# Allegro board 1156197-TDI_VU3P_QSFP28_CXP_V001_1023A-166-20241121_1644_PCB.brd (continued)
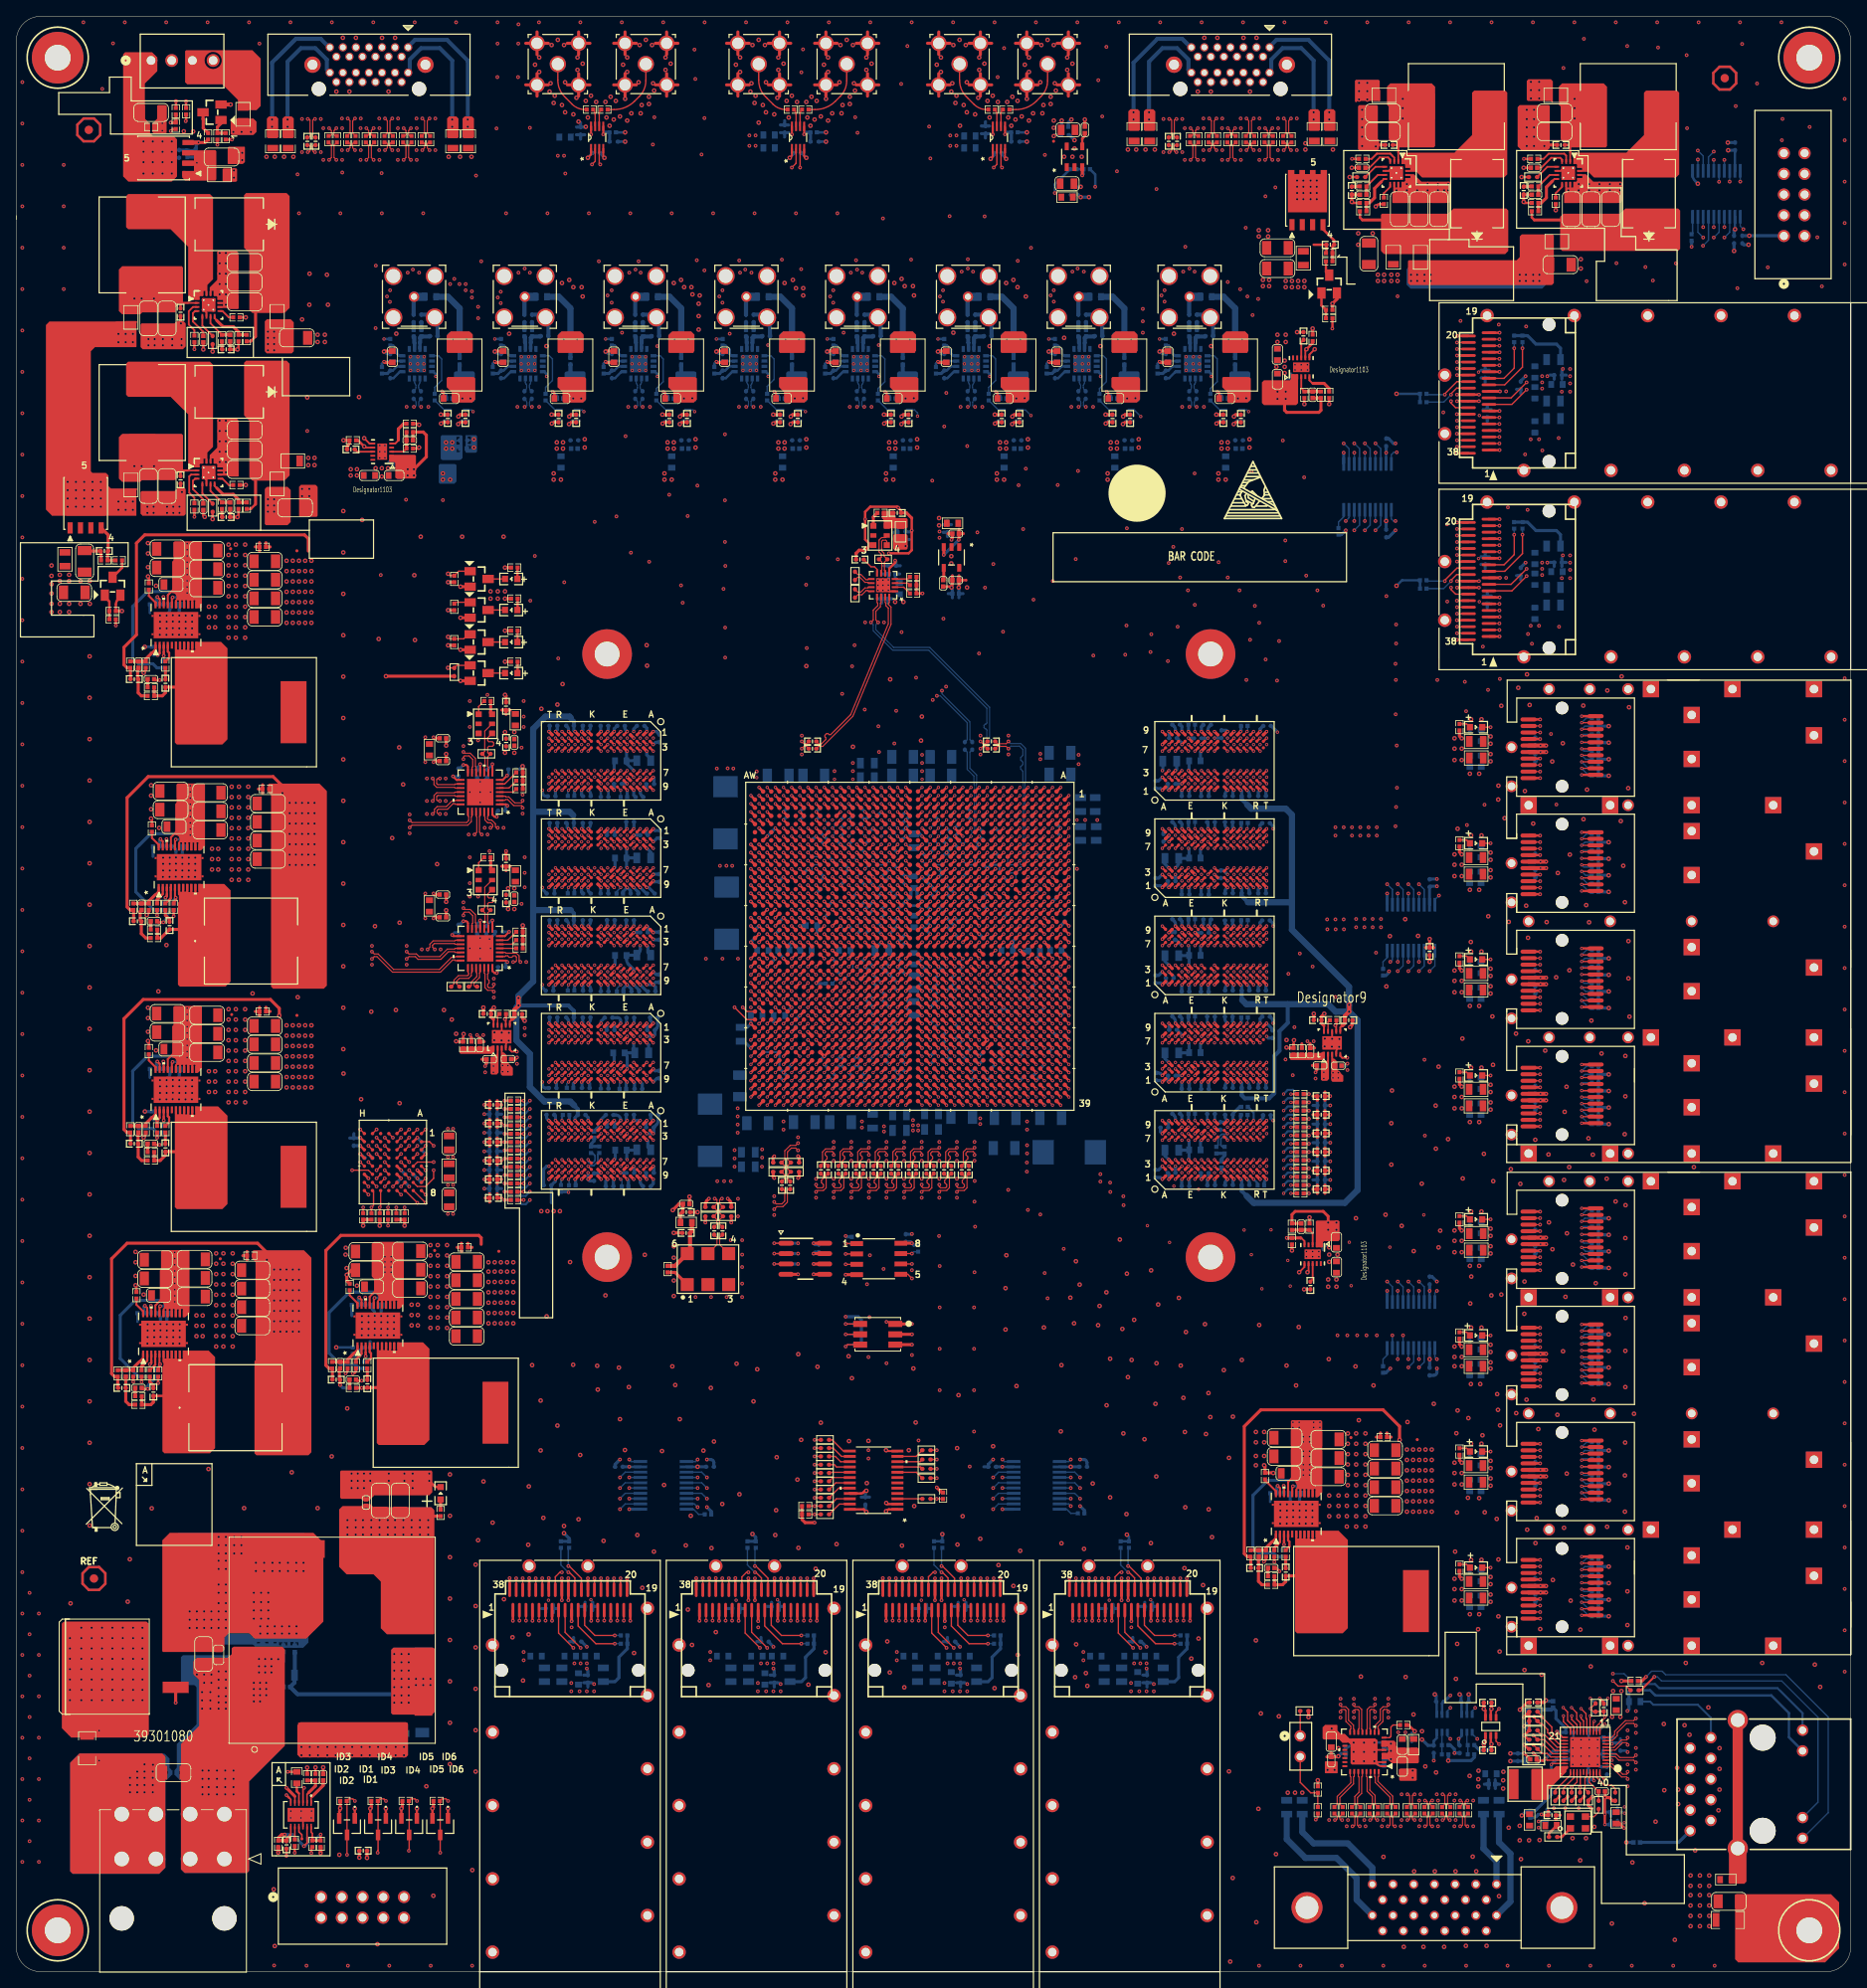
[diagram p0: board, top side]
## Routing (per net, layer and track width the routed paths; a pad name or vN(x,y) marks a point on that pad's centre or on a via; arc(x,y) is an arc through that point) (continued)
  ART07 w0.165: 149.76,96.9 149.76,97.67 v3(149.36,98.06) ; v3(149.36,145.82) 148.96,146.22 148.37,146.22 148.29,146.3
  ART07 w0.191: v1(121.1,135.36) 121.39,135.36 121.59,135.56 121.59,136.7 121.79,136.91 122.36,136.91 122.56,137.1 122.56,145.67 122.86,145.97 125.15,145.97 125.73,146.56 132.04,146.56 132.23,146.75 132.23,150.69 132.42,150.88 132.8,150.88 132.99,150.69 132.99,146.75 133.18,146.56 133.56,146.56 133.75,146.75 133.75,150.69 133.94,150.88 134.33,150.88 134.52,150.69 134.52,146.75 134.71,146.56 135.09,146.56 135.28,146.75 135.28,150.69 135.47,150.88 135.85,150.88 136.04,150.69 136.04,146.88 136.23,146.69 136.61,146.69 136.8,146.88 136.8,150.69 136.99,150.88 139.57,150.88 140.16,150.29 140.16,149.48 140.39,149.25 143.59,149.25 144.65,148.18 145.33,148.18 145.52,148.37 145.52,148.6 145.71,148.79 146.09,148.79 146.28,148.6 146.28,148.37 146.47,148.18 147.6,148.18 147.9,147.88 147.9,146.69 148.29,146.3 ; 149.76,96.9 150.65,96.01 155.85,96.01 v3(156.34,95.53)
CHA_FPGA_DONE_B: length 88.2
  TOP w0.17: v2(52.96,160.04) 52.98,160.02 R10.2 54.04,160.33 Q1.1 ; U1.U9 v1(113.1,137.36)
  ART12 w0.122: v2(52.96,160.04) 54.5,160.04 60.15,165.68 101.85,165.68 111.63,155.91 111.63,138.13 111.91,137.85 112.55,137.85 113.04,137.36 v1(113.1,137.36)
CHA_FPGA_INIT_B: length 2.4
  TOP w0.152: U1.T10 v1(114.1,136.36)
  BOTTOM w0.17: R4.2 113.56,135.86 R2.2 113.59,135.84 v1(114.1,136.36)
CHA_FPGA_MODE0: length 2.1
  TOP w0.152: U1.P9 v1(116.1,137.36)
  BOTTOM w0.17: R16.1 v1(116.1,137.36) U1.P9
CHA_FPGA_MODE1: length 2.1
  TOP w0.152: U1.P8 v1(116.1,138.36)
  BOTTOM w0.17: R14.1 115.6,138.86 v1(116.1,138.36) R13.2
CHA_FPGA_MODE2: length 3.4
  TOP w0.152: U1.P10 v1(116.1,136.36)
  BOTTOM w0.17: R11.2 R12.1 116.6,135.86 v1(116.1,136.36)
CHA_FPGA_POR_OVERRIDE: length 2.1
  TOP w0.152: U1.V8 v1(112.1,138.36)
  BOTTOM w0.17: U1.V8 v1(112.1,138.36) 111.62,138.84 R9.1
CHA_FPGA_PROG_B: length 1.4
  TOP w0.152: U1.V10 v1(112.1,136.36)
  BOTTOM w0.17: v1(112.1,136.36) 112.6,136.86 R3.2
CHA_FPGA_PUDC_B: length 2.1
  TOP w0.152: U1.U8 v1(113.1,138.36)
  BOTTOM w0.17: R6.1 v1(113.1,138.36) 113.58,137.87 R5.2
CHA_FPGA_TCK: length 182
  TOP w0.152: U1.Y10 v1(109.1,136.36)
  TOP w0.17: v1(40.56,14.35) D4.3 40.56,20.92 R17.1 40.79,21.21 41.27,21.21 v1(41.53,20.95)
  ART05 w0.122: v1(40.56,14.35) 40.56,12.34 J1.1
  ART16 w0.122: v1(41.53,20.95) 46.35,16.13 53.34,16.13 55.63,18.41 55.63,53.16 63.75,61.29 63.75,71.25 79.81,87.3 79.81,90.73 83.82,94.74 83.82,97.41 87.98,101.57 87.98,113.16 88.73,113.92 101.35,113.92 101.6,114.17 101.6,117.47 102.01,117.88 102.36,117.88 102.62,118.14 102.62,118.62 102.92,118.92 103.24,118.92 103.56,119.23 103.56,125.03 104.56,126.03 104.56,133.74 104.68,133.86 106.3,133.86 106.55,134.11 106.55,135.64 106.81,135.89 108.63,135.89 v1(109.1,136.36)
CHA_FPGA_TDI: length 177.7
  TOP w0.152: U1.AC9 v1(106.1,137.36)
  TOP w0.17: v1(52.96,20.95) 52.7,21.21 52.22,21.21 R20.1 51.99,20.92 D1.3 v1(51.99,14.61)
  ART05 w0.122: v1(51.99,14.61) 51.99,13.61 J1.9
  ART16 w0.122: v1(106.1,137.36) 105.99,137.36 105.54,136.91 100.97,136.91 100.58,136.53 100.58,121.46 99.59,120.47 99.59,118.08 99.36,117.86 98.81,117.86 98.55,117.6 98.55,117.09 98.3,116.84 90.96,116.84 90.65,116.54 90.65,116.13 90.37,115.85 88.16,115.85 86.36,114.05 86.36,102.31 77.9,93.85 77.9,87.77 62.13,72 62.13,62 53.77,53.64 53.77,28.11 53.65,27.99 52.32,27.99 52.2,27.87 52.2,27.62 52.32,27.5 53.65,27.5 53.77,27.38 53.77,27.13 53.65,27.01 52.32,27.01 52.2,26.89 52.2,26.65 52.32,26.52 53.65,26.52 53.77,26.4 53.77,24.46 53.65,24.34 52.19,24.34 52.07,24.22 52.07,23.97 52.19,23.85 53.65,23.85 53.77,23.73 53.77,23.49 53.65,23.36 52.27,23.36 52.15,23.24 52.15,23 52.27,22.88 53.65,22.88 53.77,22.76 53.77,22.51 53.65,22.39 52.19,22.39 52.07,22.27 52.07,22.02 52.19,21.9 53.65,21.9 53.77,21.78 53.77,21.54 53.65,21.41 53.42,21.41 v1(52.96,20.95)
CHA_FPGA_TDO: length 181.9
  TOP w0.152: U1.Y9 v1(109.1,137.36)
  TOP w0.17: v1(44.32,14.61) 44.35,14.64 44.35,14.88 44.37,14.9 D3.3 44.37,20.92 R18.1 44.6,21.21 45.09,21.21 v1(45.34,20.95)
  ART05 w0.122: v1(44.32,14.61) 44.32,13.56 J1.3
  ART16 w0.122: v1(45.34,20.95) 46.35,19.94 46.35,17.27 46.48,17.14 47.05,17.14 47.17,17.27 47.17,17.91 47.29,18.03 47.54,18.03 47.66,17.91 47.66,16.89 47.78,16.76 53.09,16.76 55.04,18.72 55.04,53.37 63.22,61.54 63.22,71.51 79.17,87.46 79.17,90.86 83.19,94.87 83.19,97.51 87.44,101.77 87.44,113.42 88.51,114.49 89.42,114.49 89.87,114.94 100.33,114.94 100.58,115.19 100.58,117.5 100.97,117.88 101.42,117.88 101.63,118.08 101.63,118.72 101.8,118.9 102.36,118.9 102.62,119.15 102.62,125.01 103.62,126.01 103.62,134.75 103.74,134.87 105.41,134.87 105.66,135.13 105.66,136.53 105.92,136.78 108.52,136.78 v1(109.1,137.36)
CHA_FPGA_TMS: length 179.3
  TOP w0.152: U1.AD10 v1(105.1,136.36)
  TOP w0.17: v1(48.15,14.85) 48.18,14.88 D2.3 48.18,20.92 R19.1 48.41,21.21 48.9,21.21 v1(49.15,20.95)
  ART05 w0.122: v1(48.15,14.85) J1.5
  ART16 w0.122: v1(49.15,20.95) 50.45,19.65 50.45,17.52 50.57,17.4 50.82,17.4 50.94,17.52 50.94,18.93 51.06,19.05 51.31,19.05 51.43,18.93 51.43,17.52 51.55,17.4 52.83,17.4 53.3,17.86 53.3,18.04 52.71,18.63 52.71,18.8 52.88,18.97 53.05,18.97 53.64,18.38 53.81,18.38 54.41,18.97 54.41,53.52 62.69,61.8 62.69,71.77 78.54,87.62 78.54,93.75 80.06,95.28 80.23,95.28 80.81,94.7 80.98,94.7 81.16,94.87 81.16,95.04 80.58,95.62 80.58,95.79 80.75,95.97 80.92,95.97 81.5,95.39 81.67,95.39 81.85,95.56 81.85,95.73 81.27,96.31 81.27,96.48 86.87,102.08 86.87,113.79 88.19,115.11 89.31,115.11 89.62,115.43 90.54,115.43 90.93,115.82 99.19,115.82 99.69,116.33 99.69,117.63 99.95,117.88 100.36,117.88 100.61,118.14 100.61,118.59 100.89,118.87 101.32,118.87 101.6,119.15 101.6,124.81 102.6,125.81 102.6,135.77 102.72,135.89 104.63,135.89 v1(105.1,136.36)
CHA_GPIO_1V8_1: length 172
  TOP w0.152: U1.F27 v1(124.1,118.36)
  ART12 w0.122: v1(167.39,128.19) 168.02,128.83 168.02,130.43 167.39,131.06 167.39,133.48 173.46,139.55 173.46,200.13 178.31,204.98 205.87,204.98 210.06,209.17 210.06,212.09 v1(211.84,213.87)
  ART14 w0.122: v1(167.39,128.19) 167.39,126.75 160.15,119.51 157.99,119.51 156.59,118.11 138.18,118.11 137.41,118.87 124.62,118.87 v1(124.1,118.36)
  BOTTOM w0.17: v1(211.84,213.87) 211.46,214.25 211.46,215.39
CHA_GPIO_1V8_2: length 168.8
  TOP w0.152: U1.E26 v1(125.1,119.36)
  ART12 w0.122: v1(167.39,129.21) 167.39,130.38 166.88,130.89 166.88,133.6 172.95,139.67 172.95,200.34 178.1,205.49 203.96,205.49 209.51,211.03 v1(209.51,212.85)
  ART14 w0.122: v1(125.1,119.36) 125.63,119.89 137.03,119.89 138.43,118.49 156.34,118.49 157.88,120.03 160,120.03 166.88,126.9 166.88,128.7 v1(167.39,129.21)
  BOTTOM w0.17: v1(209.51,212.85) 210.16,213.5 U4.3
CHA_GPIO_1V8_3: length 166.9
  TOP w0.152: U1.D25 v1(126.1,120.36)
  ART12 w0.122: v1(166.37,128.19) 166.88,128.7 166.88,130.18 166.37,130.68 166.37,133.73 172.44,139.8 172.44,200.55 177.89,205.99 203.45,205.99 208.79,211.33 208.79,213.11 209.51,213.82 v1(209.51,214.12)
  ART14 w0.122: v1(126.1,120.36) 126.45,120.36 126.87,120.78 136.91,120.78 138.81,118.87 156.08,118.87 157.76,120.55 159.86,120.55 166.37,127.06 v1(166.37,128.19)
  BOTTOM w0.17: U4.4 v1(209.51,214.12)
CHA_GPIO_1V8_4: length 167.7
  TOP w0.152: U1.E25 v1(125.1,120.36)
  ART12 w0.122: v1(166.37,129.21) 166.37,130.07 165.86,130.58 165.86,133.86 171.93,139.93 171.93,200.76 177.68,206.5 202.69,206.5 208.2,212.01 v1(208.2,212.85)
  ART14 w0.122: v1(166.37,129.21) 165.86,128.7 165.86,127.22 159.66,121.01 157.46,121.01 155.7,119.25 139.19,119.25 136.65,121.79 126.87,121.79 126.62,121.54 126.62,121.16 126.32,120.86 125.94,120.86 125.44,120.36 v1(125.1,120.36)
  BOTTOM w0.17: U4.5 208.86,213.5 v1(208.2,212.85)
CHA_GPIO_1V8_5: length 170.5
  TOP w0.152: U1.G25 v1(123.1,120.36)
  ART12 w0.122: v1(165.35,129.21) 165.35,129.72 164.85,130.23 164.85,134.11 170.92,140.18 170.92,201.54 181.72,212.34 207.14,212.34 207.52,212.72 207.52,213.49 208.15,214.12 v1(208.2,214.12)
  ART14 w0.122: v1(123.1,120.36) 123.15,120.36 123.65,120.86 124.3,120.86 124.6,121.16 124.6,121.55 124.91,121.86 125.31,121.86 125.6,122.15 125.6,122.55 125.91,122.86 126.41,122.86 126.6,123.04 126.6,123.55 126.87,123.83 136.14,123.83 139.95,120.02 154.94,120.02 156.99,122.06 159.37,122.06 164.85,127.54 164.85,128.7 v1(165.35,129.21)
  BOTTOM w0.17: U4.6 v1(208.2,214.12)
CHA_GPIO_1V8_6: length 169
  TOP w0.152: U1.F25 v1(124.1,120.36)
  ART12 w0.122: v1(165.35,128.19) 165.86,128.7 165.86,129.82 165.35,130.33 165.35,133.99 171.42,140.06 171.42,200.97 182.22,211.76 204.37,211.76 205.21,210.92 205.97,210.92 v1(206.88,211.84)
  ART14 w0.122: v1(124.1,120.36) 124.4,120.36 124.9,120.86 125.3,120.86 125.6,121.16 125.6,121.54 125.92,121.86 126.35,121.86 126.6,122.1 126.6,122.54 126.92,122.86 136.35,122.86 139.57,119.63 155.32,119.63 157.23,121.54 159.52,121.54 165.35,127.38 v1(165.35,128.19)
  BOTTOM w0.17: U4.7 207.55,212.51 v1(206.88,211.84)
CHA_GPIO_1V8_8: length 204.3
  TOP w0.17: U64.2 95.64,221.95 v1(95.12,221.44)
  TOP w0.211: U1.F23 v1(124.1,122.36)
  ART12 w0.122: v1(161.82,127.94) 162.31,128.42 162.31,134.87 166.37,138.94 166.37,176.28 166.12,176.53 166.12,191.01 166.37,191.26 166.37,204.77 160.3,210.85 151.1,210.85 146.08,215.87 124.31,215.87 118.75,221.44 97.99,221.44 97.46,221.97 95.66,221.97 v1(95.12,221.44)
  ART14 w0.122: v1(124.1,122.36) 124.1,122.36 123.49,122.36 123.27,122.58 123.27,124.21 124.99,125.93 138.86,125.93 139.65,125.15 153.67,125.15 155.6,127.08 161.34,127.08 161.82,127.56 v1(161.82,127.94)
CHA_GPIO_1V8_9: length 201.7
  TOP w0.152: U1.G24 v1(123.1,121.36)
  TOP w0.17: v1(96.14,221.44) 96.13,221.44 U64.3
  ART12 w0.122: v1(161.8,129.16) 161.8,135.13 165.35,138.68 165.35,176.02 164.72,176.66 164.72,190.63 165.35,191.26 165.35,205.03 160.02,210.36 150.83,210.36 146.03,215.16 124.01,215.16 118.24,220.93 96.65,220.93 v1(96.14,221.44)
  ART14 w0.122: v1(123.1,121.36) 122.93,121.53 122.93,124.53 124.6,126.2 124.6,126.63 124.82,126.86 137.02,126.86 139.46,129.3 154.93,129.3 155.57,128.65 161.29,128.65 v1(161.8,129.16)
CHA_GPIO_1V8_10: length 181.4
  TOP w0.152: U1.F24 v1(124.1,121.36)
  TOP w0.17: U66.2 120.27,221.82 v1(119.89,221.44)
  ART12 w0.122: v1(162.81,129.16) 162.81,134.62 167.39,139.19 167.39,204.52 160.63,211.28 151.43,211.28 146.36,216.35 124.98,216.35 v1(119.89,221.44)
  ART14 w0.122: v1(124.1,121.36) 124.1,121.54 124.6,122.04 124.6,122.62 124.36,122.86 123.8,122.86 123.61,123.05 123.61,123.61 123.86,123.86 124.39,123.86 124.64,124.1 124.64,124.76 125.32,125.45 138.58,125.45 139.32,124.71 154.18,124.71 155.97,126.5 161.4,126.5 162.33,127.43 162.33,128.68 v1(162.81,129.16)
CHA_GPIO_1V8_11: length 178.6
  TOP w0.152: U1.E23 v1(125.1,122.36)
  TOP w0.17: U66.3 120.77,221.57 v1(120.9,221.44)
  ART12 w0.122: v1(120.9,221.44) 125.27,217.07 146.41,217.07 151.69,211.79 161.01,211.79 168.61,204.19 168.61,139.78 163.32,134.49 163.32,128.65 162.84,128.17 v1(162.84,127.94)
  ART14 w0.122: v1(162.84,127.94) 162.84,127.03 161.73,125.92 156.4,125.92 154.81,124.33 139.19,124.33 138.68,124.84 125.86,124.84 125.6,124.59 125.6,123.19 125.1,122.69 v1(125.1,122.36)
CHA_GPIO_1V8_12: length 273.8
  TOP w0.152: U1.E27 v1(125.1,118.36)
  TOP w0.17: v1(70.61,221.82) 71,222.2 U65.2
  ART03 w0.122: v1(125.1,118.36) 125.1,118.37 125.6,118.87 126.36,118.87 126.62,118.62 126.62,118.11 126.87,117.86 129.29,117.86 130.05,117.09 130.05,116.33 131.57,114.81 131.57,114 132.11,113.46 132.11,103.47 141.34,94.23 162.95,94.23 165.35,96.64 165.35,123.44 161.31,127.49 161.31,128.63 v1(160.78,129.16)
  ART12 w0.122: v1(160.78,129.16) 160.78,135.76 163.32,138.3 163.32,173.15 162.05,174.42 162.05,190.41 163.32,191.68 163.32,205.41 159.26,209.47 150.32,209.47 145.9,213.89 123.09,213.89 117.17,219.81 72.62,219.81 v1(70.61,221.82)
CHA_GPIO_1V8_13: length 271
  TOP w0.152: U1.D26 v1(126.1,119.36)
  TOP w0.17: U65.3 71.5,221.95 v1(71.63,221.82)
  ART03 w0.122: v1(126.1,119.36) 126.39,119.36 126.87,118.87 129.29,118.87 130.56,117.6 130.56,116.54 132.08,115.01 132.08,114.07 132.54,113.61 132.54,103.94 141.73,94.74 162.56,94.74 164.85,97.03 164.85,123.32 160.78,127.38 160.78,127.91 v1(160.81,127.94)
  ART12 w0.122: v1(160.81,127.94) 161.29,128.42 161.29,135.38 164.34,138.43 164.34,173.25 163.58,174.02 163.58,190.63 164.34,191.39 164.34,205.28 159.72,209.91 150.65,209.91 145.95,214.6 123.39,214.6 117.58,220.42 73.03,220.42 v1(71.63,221.82)
CHA_GPIO_3V3_1: length 8.4
  ART16 w0.122: v1(211.46,219.71) 215.58,215.58 J2.3
  BOTTOM w0.17: 211.46,221.03 v1(211.46,219.71)
CHA_GPIO_3V3_2: length 9.2
  ART16 w0.122: v1(210.16,219.71) 210.79,220.34 212.47,220.34 214.69,218.12 J2.5
  BOTTOM w0.17: U4.18 v1(210.16,219.71)
CHA_GPIO_3V3_3: length 9.4
  ART16 w0.122: v1(209.51,222.38) 209.89,222 212.85,222 214.19,220.66 J2.7
  BOTTOM w0.17: U4.17 v1(209.51,222.38)
CHA_GPIO_3V3_4: length 14.6
  ART16 w0.122: J2.4 218.08,214.31 214.23,214.31 v1(208.86,219.68)
  BOTTOM w0.17: U4.16 v1(208.86,219.68)
CHA_GPIO_3V3_5: length 14.2
  ART16 w0.122: J2.6 218.14,219.33 214.63,219.33 212.72,221.23 209.35,221.23 v1(208.2,222.38)
  BOTTOM w0.17: U4.15 v1(208.2,222.38)
CHA_GPIO_3V3_6: length 14.9
  ART16 w0.122: J2.8 218.01,222 214.25,222 213.36,222.88 208.71,222.88 v1(208.2,223.39)
  BOTTOM w0.17: v1(208.2,223.39) 207.55,222.74 U4.14
CHA_MGTAVCC: length 121.3
  TOP w0.305: U1.AD33 v3(105.1,112.36) ; U1.AE35 v3(104.1,110.36) ; U1.AH33 v3(101.1,112.36) ; v3(99.1,139.36) 99.1,139.36 U1.AK6 ; U1.Y5 v3(109.1,141.36) ; U1.AH7 v3(101.1,139.36) ; U1.T7 v3(114.1,139.36) ; R395.2 v1(19.3,129.54) ; U1.K34 v3(120.1,111.36) ; U1.AE5 v3(104.1,141.36) ; U1.T33 v3(114.1,112.36) ; U1.Y33 v3(109.1,112.36) ; U1.M33 v3(118.1,112.36) ; U1.K6 v3(120.1,140.36) ; U1.M7 v3(118.1,139.36) ; U1.AD7 v3(105.1,139.36) ; U1.Y7 v3(109.1,139.36) ; U1.Y35 v3(109.1,110.36) ; U1.AK34 v3(99.1,111.36)
  TOP w0.381: C715.2 14.39,130.27 R385.2 13.97,130.31 13.59,130.69 13.59,144.09 16.18,146.69 31.5,146.69 32.64,145.54 v2(32.64,144.65)
  ART07 w0.305: v2(33.53,143.46) 33.53,145.15 33.01,145.66 31.63,145.66 30.53,146.76 20.4,146.76 18.03,144.4 18.03,141.86 16.64,140.46 16.64,131.7 18.8,129.54 v1(19.3,129.54) ; v3(105.1,139.36) 104.61,138.87 101.59,138.87 v3(101.1,139.36) 101.1,139.36 101.6,139.85 101.6,140.64 101.84,140.88 102.3,140.88 102.31,140.89 103.64,140.89 v3(104.1,141.36)
  ART16 w0.305: 100.6,138.86 99.6,138.86 v3(99.1,139.36) 99.63,139.88 100.58,139.88 v3(101.1,139.36) 100.6,138.86
  BOTTOM w0.381: C192.1 117.63,112.83 v3(118.1,112.36) 118.58,112.83 C199.1 ; v3(114.1,139.36) 114.57,138.89 C215.2 ; C217.2 105.58,112.83 v3(105.1,112.36) 104.63,111.88 C198.1 ; v3(109.1,139.36) 108.63,138.88 C204.1 ; C208.1 105.58,138.88 v3(105.1,139.36) ; v3(109.1,112.36) 108.63,112.83 C194.1 ; C212.2 109.57,141.82 v3(109.1,141.36) 108.63,140.88 C200.1 ; v3(118.1,139.36) 118.58,138.88 C201.1 ; C206.1 108.63,110.83 v3(109.1,110.36) ; C191.1 119.6,110.86 v3(120.1,111.36) U1.K34 C205.1 ; C203.1 114.55,111.9 v3(114.1,112.36) 113.61,112.84 C216.2 ; C189.1 99.6,138.86 v3(99.1,139.36) 98.63,139.83 C196.1 ; C211.2 103.6,141.86 v3(104.1,141.36) 104.6,141.86 C209.2 ; C197.1 99.6,110.86 v3(99.1,111.36) 99.57,111.82 C207.1 ; C190.1 v3(104.1,110.36) 104.58,110.83 C193.1 ; C218.2 U1.K6 v3(120.1,140.36) 120.6,139.86 C213.2 ; C214.2 U1.AH7 v3(101.1,139.36) 101.6,139.86 C210.2 ; C195.1 101.6,111.86 v3(101.1,112.36) 100.6,111.86 C202.1
  vias: v1(103.72,104.36) v1(103.72,103.61) v1(118.23,104.74) v1(118.23,104.04) v1(125.6,149.48) v1(125.6,148.82) v2(33.53,142.19) v2(33.53,140.92) v2(33.53,139.65) v2(33.53,138.38) v2(33.53,137.11) v2(33.53,135.84) v2(34.29,143.46) v2(34.29,142.19) v2(34.29,140.92) v2(34.29,139.65) v2(34.29,138.38) v2(34.29,137.11) v2(34.29,135.84) v2(35.05,143.46) v2(35.05,142.19) v2(35.05,140.92) v2(35.05,139.65) v2(35.05,138.38) v2(35.05,137.11) v2(35.05,135.84) v2(35.81,143.46) v2(35.81,142.19) v2(35.81,140.92) v2(35.81,139.65) v2(35.81,138.38) v2(35.81,137.11) v2(35.81,135.84) v2(36.58,143.46) v2(36.58,142.19) v2(36.58,140.92) v2(36.58,139.65) v2(36.58,138.38) v2(36.58,137.11) v2(36.58,135.84)
CHA_MGTAVCC_EN: length 2.3
  TOP w0.279: U47.2 17.97,132.27 17.53,131.83
  TOP w0.381: 17.53,131.83 17.27,131.57 R382.1
CHA_MGTAVCC_GOOD: length 36.5
  TOP w0.279: 18.46,132.24 U47.3
  TOP w0.305: 18.46,132.24 18.46,132 v1(18.29,131.83)
  ART03 w0.381: v2(15.77,162.61) 13.84,160.68 13.84,136.78 18.29,132.33 v1(18.29,131.83)
  BOTTOM w0.305: v1(18.29,131.83) 18.29,131.49 R394.2 ; R407.2 v2(15.77,162.61)
CHA_MGTAVTT: length 97.2
  TOP w0.305: U1.AA36 v3(108.1,109.36) ; U1.AA4 v3(108.1,142.36) ; U1.R35 v3(115.1,110.36) ; U1.W36 v3(111.1,109.36) ; U1.E5 v3(125.1,141.36) ; U1.E35 v3(125.1,110.36) ; U1.J5 v3(121.1,141.36) ; U1.AL35 v3(98.1,110.36) ; U1.U5 v3(113.1,141.36) ; v3(92.1,139.36) 92.1,139.36 U1.AV7 ; U1.G5 v3(123.1,141.36) ; U1.AT34 v3(93.1,111.36) ; U1.U35 v3(113.1,110.36) ; U1.B7 v3(128.1,139.36) ; U1.AC5 v3(106.1,141.36) ; U1.AT6 v3(93.1,140.36) ; U1.N35 v3(117.1,110.36) ; U1.G35 v3(123.1,110.36) ; U1.AJ35 v3(100.1,110.36) ; U1.AL5 v3(98.1,141.36) ; U1.L5 v3(119.1,141.36) ; U1.R5 v3(115.1,141.36) ; U1.N5 v3(117.1,141.36) ; U1.J35 v3(121.1,110.36) ; U1.AC35 v3(106.1,110.36) ; U1.AR5 v3(94.1,141.36) ; U1.AN35 v3(96.1,110.36) ; U1.D34 v3(126.1,111.36) ; U1.W4 v3(111.1,142.36) ; U1.AJ5 v3(101.1,141.36) ; U1.AR35 v3(94.1,110.36) ; U1.AG5 v3(102.1,141.36) ; U1.AN5 v3(96.1,141.36) ; U1.D6 v3(126.1,140.36) ; U1.AG35 v3(102.1,110.36) ; U1.B33 v3(128.1,112.36) ; U1.L35 v3(119.1,110.36)
  TOP w0.381: U1.AV33 v3(91.1,112.36) ; 31.14,174.88 R404.2 30.63,175.39 ; 35.81,174.37 35.81,175.9 35.36,176.35 15.75,176.35 14.73,175.34 14.73,164.08 13.21,162.56 13.21,160.41 13.59,160.03 R397.1 14.01,159.99 C730.2
  ART03 w0.305: v1(90.82,147.32) v3(90.82,146.56)
  BOTTOM w0.254: C149.1 93.6,110.83 93.6,112.6 93.33,112.87 91.61,112.87 U1.AV33
  BOTTOM w0.381: v3(113.1,110.36) 112.63,110.83 C159.1 ; C176.2 118.64,140.89 v3(119.1,141.36) ; C154.1 100.6,109.86 v3(100.1,110.36) ; C168.1 102.6,141.86 v3(102.1,141.36) ; C162.1 112.6,141.86 v3(113.1,141.36) ; v3(96.1,141.36) 96.6,141.86 C158.1 ; v3(121.1,110.36) 120.63,110.83 C170.2 ; C149.1 93.63,110.83 v3(94.1,110.36) 94.57,109.89 C174.2 ; v3(128.1,139.36) 127.6,139.86 C164.1 ; v3(121.1,141.36) 120.63,140.88 C163.1 ; C152.1 107.6,109.86 v3(108.1,109.36) ; v3(125.1,110.36) 124.6,109.86 C150.1 ; U1.B33 v3(128.1,112.36) ; v3(115.1,141.36) 114.63,140.88 C156.1 ; C166.1 101.6,141.86 v3(101.1,141.36) ; v3(98.1,141.36) 98.6,141.86 C167.1 ; C172.2 124.64,140.89 v3(125.1,141.36) ; C157.1 122.63,140.88 v3(123.1,141.36) ; v3(126.1,140.36) U1.D6 C169.2 ; v3(102.1,110.36) 102.6,109.86 C153.1 ; v3(106.1,110.36) 106.58,110.83 C177.2 ; C173.2 125.6,110.86 v3(126.1,111.36) ; U1.AV33 v3(91.1,112.36) ; C178.2 118.63,110.83 v3(119.1,110.36) ; C171.2 114.63,110.83 v3(115.1,110.36) ; v3(93.1,140.36) R83.1 v3(92.1,139.36) ; C155.1 96.58,110.83 v3(96.1,110.36) ; v3(98.1,110.36) 98.58,110.83 C161.1 ; v3(117.1,110.36) 117.58,110.83 C151.1 ; v3(117.1,141.36) 116.6,141.86 C175.2 ; v3(94.1,141.36) 94.6,141.86 C165.1
  vias: v1(94.1,104.36) v1(94.1,103.36) v1(100.36,147.36) v1(123.97,104.36) v1(123.97,103.36) v2(33.15,173.18) v2(33.15,171.91) v2(33.15,170.64) v2(33.15,169.37) v2(33.15,168.1) v2(33.15,166.83) v2(33.15,165.56) v2(33.91,173.18) v2(33.91,171.91) v2(33.91,170.64) v2(33.91,169.37) v2(33.91,168.1) v2(33.91,166.83) v2(33.91,165.56) v2(34.67,173.18) v2(34.67,171.91) v2(34.67,170.64) v2(34.67,169.37) v2(34.67,168.1) v2(34.67,166.83) v2(34.67,165.56) v2(35.43,173.18) v2(35.43,171.91) v2(35.43,170.64) v2(35.43,169.37) v2(35.43,168.1) v2(35.43,166.83) v2(35.43,165.56) v2(36.2,173.18) v2(36.2,171.91) v2(36.2,170.64) v2(36.2,169.37) v2(36.2,168.1) v2(36.2,166.83) v2(36.2,165.56) v3(100.36,146.36)
CHA_MGTAVTT_EN: length 2.1
  TOP w0.279: U48.2 17.58,161.83 v1(17.35,161.59)
  BOTTOM w0.381: v1(17.35,161.59) 16.85,161.59 R407.1
CHA_MGTAVTT_GOOD: length 216.2
  TOP w0.279: U48.3 18.08,161.96
  TOP w0.305: 18.08,161.96 v1(18.08,161.53) ; R408.2 v2(52.96,167.11)
  ART07 w0.305: v1(18.08,161.53) 18.64,160.97 18.64,148.51 19.33,147.83 37.21,147.83 50.95,161.57 50.95,165.11 v2(52.96,167.11)
  ART16 w0.381: v1(132.33,219.07) 133.1,218.31 133.1,216.53 130.56,214 121.92,214 120.52,212.6 43.43,212.6 40.88,210.05 40.88,196.91 37.97,194.01 37.97,183.51 42.04,179.45 50.55,179.45 50.93,179.07 50.93,169.14 v2(52.96,167.11)
  BOTTOM w0.305: R425.2 132.33,220.59 v1(132.33,219.07)
  BOTTOM w0.381: v1(18.08,161.53) 18.08,161 R405.2
CHA_MGTH224_RXN0: length 71.2
  TOP w0.14: U1.AV3 v3(91.1,143.36)
  ART16 w0.102: v3(91.1,143.36) 91.1,143.06 arc(91.07,142.99) 91,142.96 90.81,142.96 arc(90.73,142.99) 90.7,143.06 90.7,144.52 arc(90.66,144.74) 90.53,144.92 90.18,145.28 90.18,145.35 90.16,145.37
  ART16 w0.114: 90.16,145.37 90.08,145.45 arc(89.9,145.72) 89.84,146.03 89.84,146.32 arc(89.87,146.39) 89.94,146.42 arc(90.01,146.45) 90.04,146.52 90.04,146.78 arc(90.01,146.85) 89.94,146.88 arc(89.87,146.91) 89.84,146.98 89.84,149.99 arc(89.24,152.99) 87.54,155.54 70.13,172.95 65.92,177.15 arc(63.24,178.95) 60.07,179.58 arc(58.66,179.86) 57.47,180.66 52.33,185.8 arc(52.26,185.89) 52.24,186.01 52.24,186.03 arc(52.22,186.15) 52.15,186.25 52.09,186.31 arc(51.99,186.38) 51.87,186.4 51.85,186.4 arc(51.73,186.42) 51.64,186.49 51.48,186.64 arc(50.92,187.48) 50.73,188.47 50.73,189.48 arc(50.6,190.14) 50.23,190.69 49.43,191.49 arc(49.38,191.56) 49.36,191.65 49.36,191.68 arc(49.38,191.77) 49.43,191.84 v1(49.65,192.07)
  BOTTOM w0.14: v1(49.65,192.07) 49.54,192.07 arc(49.41,192.12) 49.36,192.24 49.36,192.61 arc(49.39,192.77) 49.49,192.9 C551.2
CHA_MGTH224_RXN1: length 61.5
  TOP w0.14: U1.AU1 v3(92.1,145.36)
  ART16 w0.102: 91.75,145.9 91.75,145.87 91.7,145.82 91.7,145.06 arc(91.73,144.99) 91.8,144.96 92,144.96 arc(92.07,144.99) 92.1,145.06 v3(92.1,145.36)
  ART16 w0.114: 91.75,145.9 91.75,146.37 arc(91.77,146.41) 91.81,146.43 arc(91.87,146.46) 91.9,146.51 91.9,146.8 arc(91.87,146.86) 91.81,146.89 arc(91.77,146.91) 91.75,146.95 91.75,147.29 arc(91.77,147.33) 91.81,147.35 arc(91.85,147.36) 91.87,147.4 91.87,147.74 arc(91.85,147.79) 91.81,147.8 arc(91.77,147.82) 91.75,147.86 91.75,151.51 arc(91.07,154.93) 89.14,157.83 64.56,182.4 arc(63.37,184.19) 62.95,186.29 62.95,191.58 arc(62.99,191.76) 63.09,191.91 v1(63.24,192.07)
  BOTTOM w0.14: v1(63.24,192.07) 63.13,192.07 arc(63,192.12) 62.95,192.24 62.95,192.61 arc(62.98,192.77) 63.07,192.9 C547.2
CHA_MGTH224_RXN2: length 56.6
  TOP w0.14: U1.AR1 v3(94.1,145.36)
  ART16 w0.102: 93.75,145.9 93.75,145.87 93.7,145.82 93.7,145.06 arc(93.73,144.99) 93.8,144.96 94,144.96 arc(94.07,144.99) 94.1,145.06 v3(94.1,145.36)
  ART16 w0.114: v1(76.83,192.07) 76.68,191.91 arc(76.58,191.76) 76.54,191.58 76.54,184.53 arc(77.12,181.63) 78.76,179.18 90.58,167.36 arc(92.93,163.84) 93.75,159.69 93.75,147.68 arc(93.78,147.63) 93.83,147.61 arc(93.88,147.59) 93.9,147.53 93.9,147.23 arc(93.88,147.17) 93.83,147.15 arc(93.78,147.13) 93.75,147.08 93.75,146.77 arc(93.78,146.72) 93.83,146.69 arc(93.88,146.67) 93.9,146.62 93.9,146.31 arc(93.88,146.26) 93.83,146.24 arc(93.78,146.21) 93.75,146.16 93.75,145.9
  BOTTOM w0.14: C575.2 76.66,192.9 arc(76.57,192.77) 76.54,192.61 76.54,192.24 arc(76.59,192.12) 76.72,192.07 v1(76.83,192.07)
CHA_MGTH224_RXN3: length 52.1
  TOP w0.14: U1.AN1 v3(96.1,145.36)
  ART16 w0.102: v3(96.1,145.36) 96.1,145.06 arc(96.07,144.99) 96,144.96 95.8,144.96 arc(95.73,144.99) 95.7,145.06 95.7,145.82 95.75,145.87 95.75,145.9
  ART16 w0.114: v1(90.42,192.07) 90.27,191.91 arc(90.17,191.76) 90.13,191.58 90.13,182.2 arc(90.6,179.82) 91.95,177.8 94.13,175.62 arc(95.33,173.82) 95.75,171.71 95.75,147.7 arc(95.77,147.65) 95.82,147.64 arc(95.87,147.62) 95.89,147.57 95.89,147.24 arc(95.87,147.2) 95.82,147.18 arc(95.77,147.16) 95.75,147.11 95.75,146.79 arc(95.77,146.74) 95.82,146.72 arc(95.88,146.69) 95.91,146.63 95.91,146.35 arc(95.88,146.29) 95.82,146.26 arc(95.77,146.25) 95.75,146.2 95.75,145.9
  BOTTOM w0.14: v1(90.42,192.07) 90.31,192.07 90.13,192.24 90.13,192.78 C571.2
